# Altium PCB relay_matrix.PcbDoc (part 2 of 9)
Units mm, origin at the board's own origin, x right, y up, seen from the top; angles counter-clockwise.
Board outline 330 x 220 mm, 2 copper layers (Top Layer, Bottom Layer); 498 components, 345 nets, 2134 pads, 717 vias.
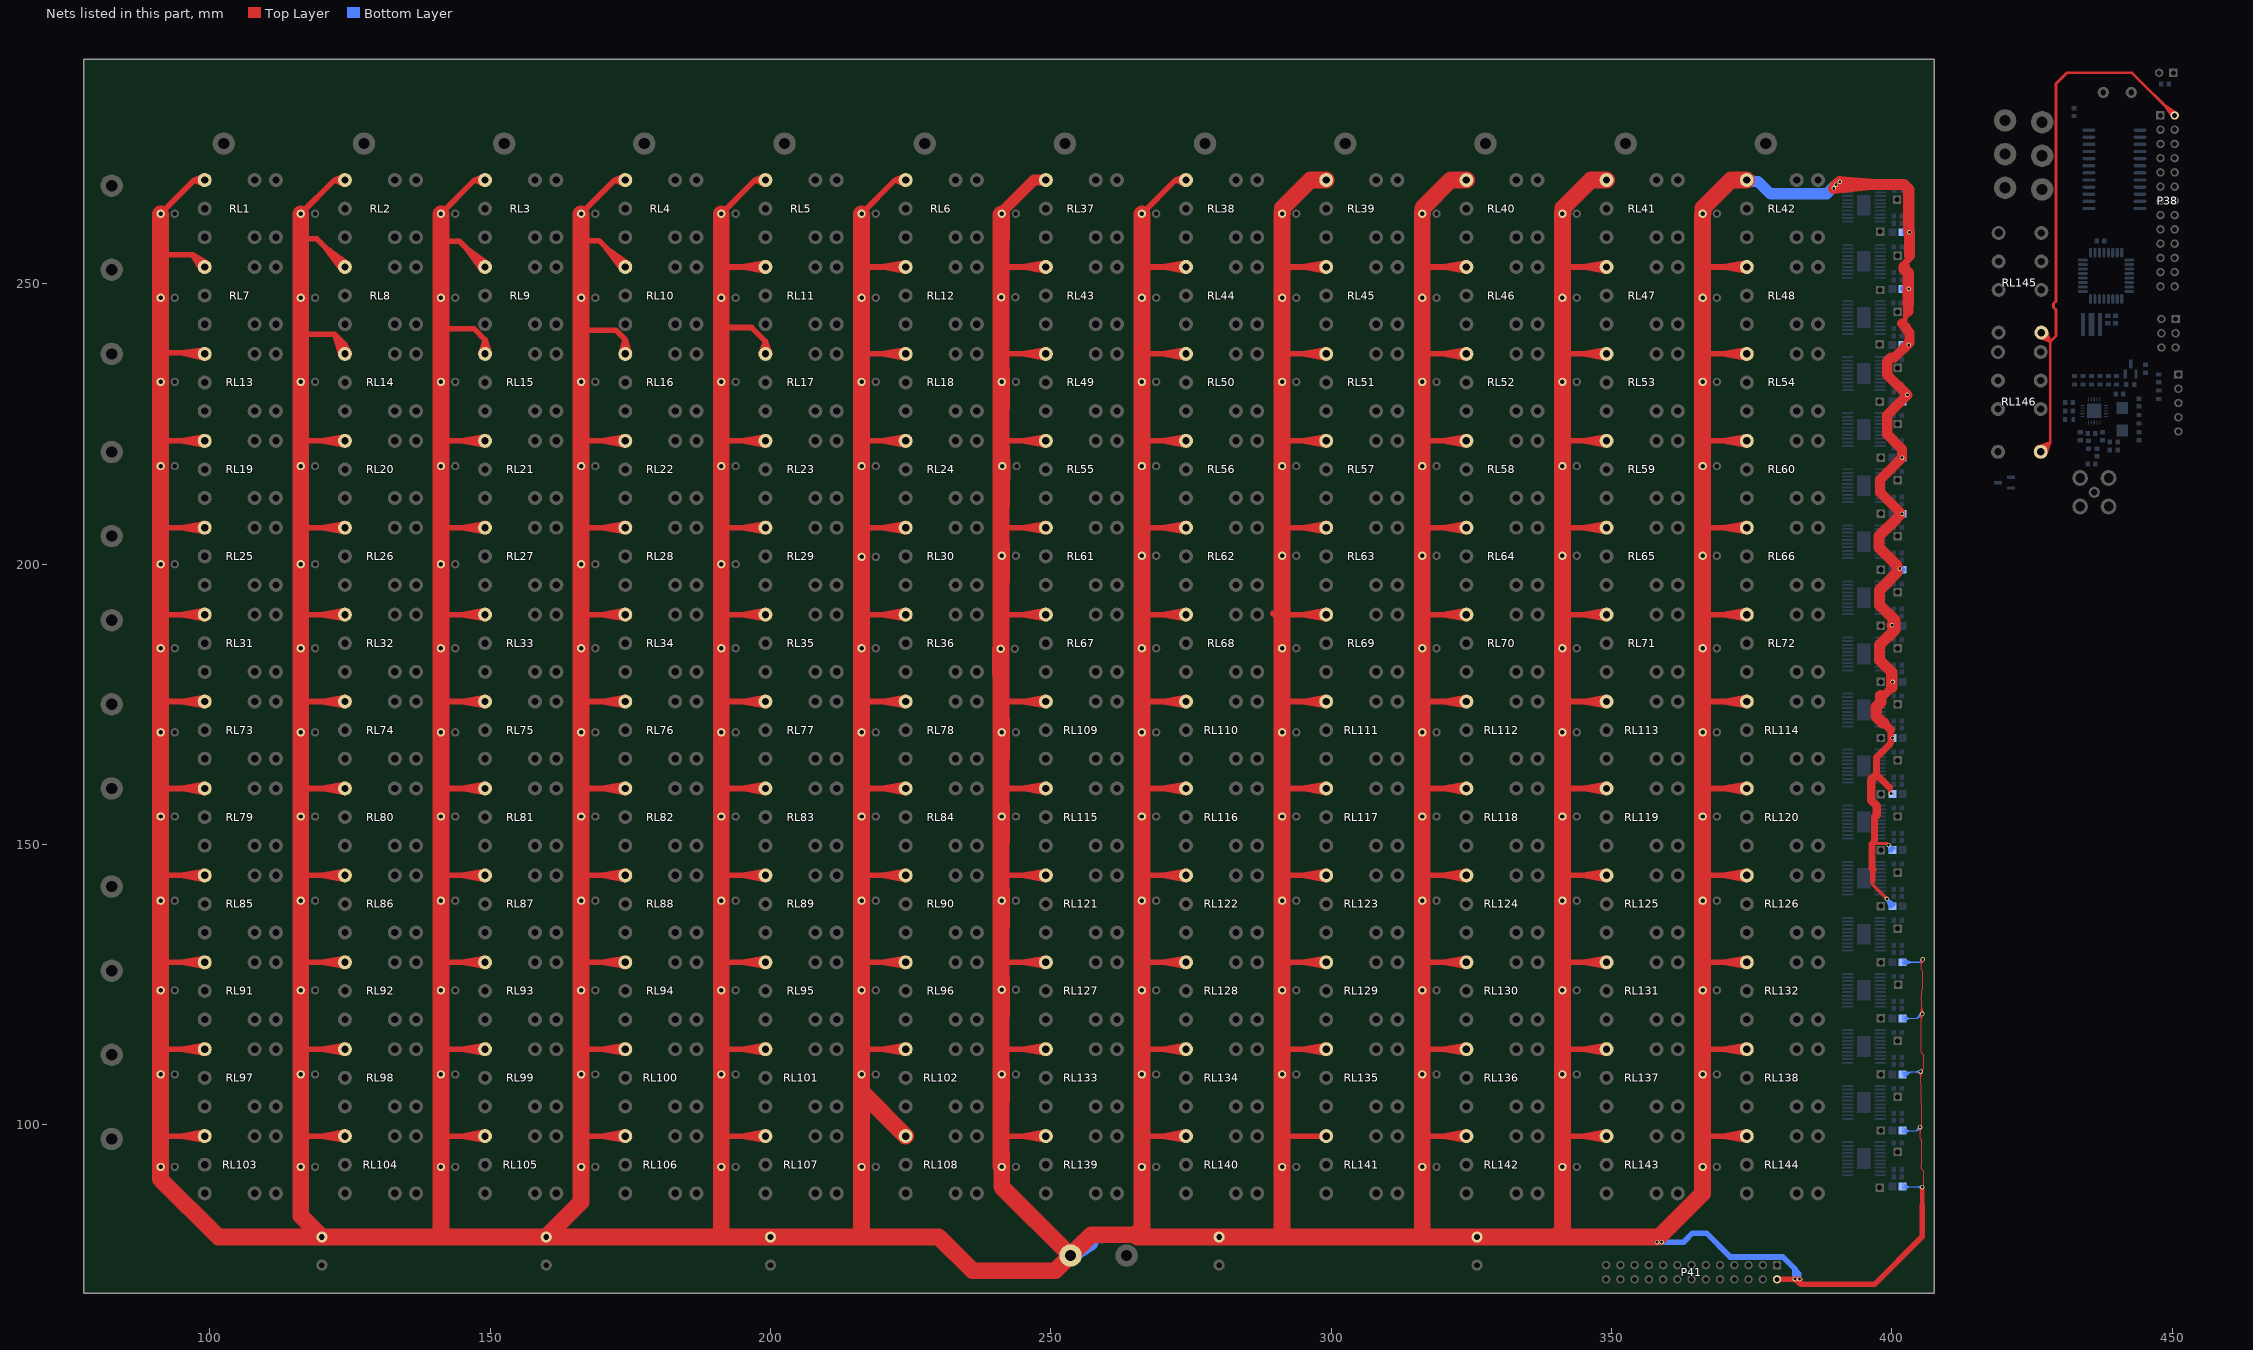
[diagram p2: the nets of this part, all layers, seen from the top]

## Via types
v1: diameter 0.8, hole 0.5, Top Layer to Bottom Layer, 477 vias
v2: diameter 0.8, hole 0.5, Top Layer to Bottom Layer, tented both sides, 122 vias
v3: diameter 0.6, hole 0.3, Top Layer to Bottom Layer, 112 vias
v4: diameter 7, hole 5, Top Layer to Bottom Layer, 6 vias

## Nets (pads, with @x,y where several pads share a name; then routed paths per layer and width w, separated by ;. In a path a pad name is that pad's centre, name@x,y a point inside that pad or via, vN(x,y) a via of type N, cw(c..) or ccw(c..) an arc to the next point about the centre after c; other vN are vias at no path point) (continued)
12V: C5.1 C10.1 C12.1 C13.1 C14.1 C15.1 D1.1 D2.1 D3.1 D4.1 D5.1 D6.1 D7.1 D8.1 D9.1 D10.1 D11.1 D12.1 D13.1 D14.1 D15.1 D16.1 D17.1 D18.1 D19.1 D20.1 D21.1 D22.1 D23.1 D24.1 D25.1 D26.1 D27.1 D28.1 D29.1 D30.1 D31.1 D32.1 D33.1 D34.1 D35.1 D36.1 D37.1 D38.1 D39.1 D40.1 D41.1 D42.1 D43.1 D44.1 D45.1 D46.1 D47.1 D48.1 D49.1 D50.1 D51.1 D52.1 D53.1 D54.1 D55.1 D56.1 D57.1 D58.1 D59.1 D60.1 D61.1 D62.1 D63.1 D64.1 D65.1 D66.1 D67.1 D68.1 D69.1 D70.1 D71.1 D72.1 D73.1 D74.1 D75.1 D76.1 D77.1 D78.1 D79.1 D80.1 D81.1 D82.1 D83.1 D84.1 D85.1 D86.1 D87.1 D88.1 D89.1 D90.1 D91.1 D92.1 D93.1 D94.1 D95.1 D96.1 D97.1 D98.1 D99.1 D100.1 D101.1 D102.1 D103.1 D104.1 D105.1 D106.1 D107.1 D108.1 D109.1 D110.1 D111.1 D112.1 D113.1 D114.1 D115.1 D116.1 D117.1 D118.1 D119.1 D120.1 D121.1 D122.1 D123.1 D124.1 D125.1 D126.1 D127.1 D128.1 D129.1 D130.1 D131.1 D132.1 D133.1 D134.1 D135.1 D136.1 D137.1 D138.1 D139.1 D140.1 D141.1 D142.1 D143.1 D144.1 J25.1 P41.2 R145.2 R146.2 R147.2 R148.2 R149.2 R150.2 R151.2 R152.2 R153.2 R154.2 R155.2 R156.2 R157.2 R158.2 R159.2 R160.2 R161.2 R162.2 RL1.1 RL2.1 RL3.1 RL4.1 RL5.1 RL6.1 RL7.1 RL8.1 RL9.1 RL10.1 RL11.1 RL12.1 RL13.1 RL14.1 RL15.1 RL16.1 RL17.1 RL18.1 RL19.1 RL20.1 RL21.1 RL22.1 RL23.1 RL24.1 RL25.1 RL26.1 RL27.1 RL28.1 RL29.1 RL30.1 RL31.1 RL32.1 RL33.1 RL34.1 RL35.1 RL36.1 RL37.1 RL38.1 RL39.1 RL40.1 RL41.1 RL42.1 RL43.1 RL44.1 RL45.1 RL46.1 RL47.1 RL48.1 RL49.1 RL50.1 RL51.1 RL52.1 RL53.1 RL54.1 RL55.1 RL56.1 RL57.1 RL58.1 RL59.1 RL60.1 RL61.1 RL62.1 RL63.1 RL64.1 RL65.1 RL66.1 RL67.1 RL68.1 RL69.1 RL70.1 RL71.1 RL72.1 RL73.1 RL74.1 RL75.1 RL76.1 RL77.1 RL78.1 RL79.1 RL80.1 RL81.1 RL82.1 RL83.1 RL84.1 RL85.1 RL86.1 RL87.1 RL88.1 RL89.1 RL90.1 RL91.1 RL92.1 RL93.1 RL94.1 RL95.1 RL96.1 RL97.1 RL98.1 RL99.1 RL100.1 RL101.1 RL102.1 RL103.1 RL104.1 RL105.1 RL106.1 RL107.1 RL108.1 RL109.1 RL110.1 RL111.1 RL112.1 RL113.1 RL114.1 RL115.1 RL116.1 RL117.1 RL118.1 RL119.1 RL120.1 RL121.1 RL122.1 RL123.1 RL124.1 RL125.1 RL126.1 RL127.1 RL128.1 RL129.1 RL130.1 RL131.1 RL132.1 RL133.1 RL134.1 RL135.1 RL136.1 RL137.1 RL138.1 RL139.1 RL140.1 RL141.1 RL142.1 RL143.1 RL144.1 | length 7380
  Top Layer w0.2: 400.899,198.5 401.3,198.1 401.499,198.1 ; v1@404.703,99.555 404.999,98.6 v1@405.296,99.555 ; v1@404.79,99.815 405.299,100.099 ; v1@404.803,109.455 405.1,108.5 ; v1@404.929,109.746 405.7,110.1 ; v1@405.099,119.8 405.25,118.77 ; v1@405.101,119.83 405.35,120.802 ; 405.199,128.655 405.199,127.744 405.5,127.443 405.5,124.2 405.35,124.05 405.35,122.8 405.25,122.7 405.25,122.11 405.35,122.01 405.35,119.849 v1(405.399,119.8) ; v1@405.204,129.552 405.2,128.656 ; v1@405.287,99.517 405.299,100.099 ; v1@405.346,109.329 405.7,110.1 ; v1@405.397,109.455 405.1,108.5 ; v1(405.4,88.9) 405.7,89.2 405.7,91.71 405.2,92.21 405.2,92.79 405.3,92.89 405.3,97.2 405.25,97.25 405.25,97.4 404.999,97.651 v1(404.999,99.6) ; v1@405.687,119.714 405.25,118.77 ; v1@405.693,119.859 405.35,120.802 ; v1@405.699,129.699 v1(405.5,129.5) ; v1@405.762,129.354 405.2,128.656 ; v1(404.999,99.6) 405.299,100.099 ; v1(404.999,99.6) 404.999,99.799 405.299,100.099 ; 405.1,108.5 v1(405.1,109.5) ; v1(405.1,109.5) 405.1,107.35 405.25,107.2 405.25,103.892 405.299,103.843 405.299,100.099 ; v1(405.1,109.5) 405.7,110.1 ; 405.2,128.656 v1(405.5,129.5) ; 405.2,128.656 405.2,129.2 v1(405.5,129.5) ; 405.25,118.77 v1(405.399,119.8) ; 405.35,120.802 v1(405.399,119.8) ; v1(405.399,119.8) 405.25,119.651 405.25,117.2 405.25,112.9 405.7,112.45 405.7,110.1
  Top Layer w0.5: 396.869,150.501 397.17,150.2 399.099,150.2 v1(399.399,149.9) ; v1@398.999,140.4 v1(399.099,140.3) ; v1@399.55,159.349 399.55,160.15 v1(399.799,159.1) v1@399.55,159.349
  Top Layer w0.6: 396.5,143.536 396.5,142.899 v1@398.999,140.4 ; 397.426,141.973 v1(399.099,140.3)
  Top Layer w0.8: 401.8,242.9 402.399,243.499 402.399,244.549 402.45,244.6 ; 405.4,85.7 v1(405.4,88.9) 405.4,86.1
  Top Layer w1: 91.23,97.9 91.33,98 RL103.1@99.1,98 94.85,98 ; 91.23,113.7 91.43,113.5 RL97.1@99.1,113.5 94.85,113.5 ; 91.23,129 RL91.1@99.1,129 94.85,129 ; 91.23,144 91.73,144.5 RL85.1@99.1,144.5 94.85,144.5 ; 91.23,160 RL79.1@99.1,160 94.85,160 ; 91.23,175.8 91.53,175.5 RL73.1@99.1,175.5 94.85,175.5 ; 91.23,191.2 91.43,191 RL31.1@99.1,191 94.85,191 ; 91.23,206.4 91.33,206.5 RL25.1@99.1,206.5 94.85,206.5 ; 91.23,221.7 91.53,222 RL19.1@99.1,222 94.85,222 ; 91.23,237.3 91.63,237.7 97.755,237.7 ; 91.23,252.7 91.53,253 ; 91.23,255.2 96.9,255.2 ; D1.1@91.23,262.5 97.23,268.5 ; RL7.1@98.51,252.537 96.9,255.2 ; RL1.1@98.95,267.765 97.23,268.5 ; RL1.1@98.95,269.235 97.23,268.5 ; RL13.1@98.999,236.757 94.839,237.7 ; RL103.1@99.034,97.253 94.85,98 ; RL103.1@99.034,98.747 94.85,98 ; RL97.1@99.034,112.753 94.85,113.5 ; RL97.1@99.034,114.247 94.85,113.5 ; RL91.1@99.034,128.253 94.85,129 ; RL91.1@99.034,129.747 94.85,129 ; RL85.1@99.034,143.753 94.85,144.5 ; RL85.1@99.034,145.247 94.85,144.5 ; RL79.1@99.034,159.253 94.85,160 ; RL79.1@99.034,160.747 94.85,160 ; RL73.1@99.034,174.753 94.85,175.5 ; RL73.1@99.034,176.247 94.85,175.5 ; RL31.1@99.034,190.253 94.85,191 ; RL31.1@99.034,191.747 94.85,191 ; RL25.1@99.034,205.753 94.85,206.5 ; RL25.1@99.034,207.247 94.85,206.5 ; RL19.1@99.034,221.253 94.85,222 ; RL19.1@99.034,222.747 94.85,222 ; RL13.1@99.069,238.249 94.839,237.7 ; RL7.1@99.563,253.59 96.9,255.2 ; 116.23,97.4 116.83,98 RL104.1@124.1,98 119.85,98 ; 116.23,112.7 117.03,113.5 RL98.1@124.1,113.5 119.85,113.5 ; 116.23,128.8 116.43,129 RL92.1@124.1,129 119.85,129 ; 116.23,144.5 RL86.1@124.1,144.5 119.85,144.5 ; 116.23,160 RL80.1@124.1,160 119.85,160 ; 116.23,175.2 116.53,175.5 RL74.1@124.1,175.5 119.85,175.5 ; 116.23,190.9 116.33,191 RL32.1@124.1,191 119.85,191 ; 116.23,205.8 116.93,206.5 RL26.1@124.1,206.5 119.85,206.5 ; 116.23,222.2 116.43,222 RL20.1@124.1,222 119.85,222 ; 116.23,240.8 116.43,241 122.256,241 ; 116.23,258 119.1,258 RL8.1@124.1,253 120.729,256.371 ; D2.1@116.23,262.5 122.23,268.5 ; RL14.1@123.406,237.215 122.256,241 ; RL8.1@123.53,252.513 120.729,256.371 ; RL2.1@123.95,267.765 122.23,268.5 ; RL2.1@123.95,269.235 122.23,268.5 ; RL104.1@124.034,97.253 119.85,98 ; RL104.1@124.034,98.747 119.85,98 ; RL98.1@124.034,112.753 119.85,113.5 ; RL98.1@124.034,114.247 119.85,113.5 ; RL92.1@124.034,128.253 119.85,129 ; RL92.1@124.034,129.747 119.85,129 ; RL86.1@124.034,143.753 119.85,144.5 ; RL86.1@124.034,145.247 119.85,144.5 ; RL80.1@124.034,159.253 119.85,160 ; RL80.1@124.034,160.747 119.85,160 ; RL74.1@124.034,174.753 119.85,175.5 ; RL74.1@124.034,176.247 119.85,175.5 ; RL32.1@124.034,190.253 119.85,191 ; RL32.1@124.034,191.747 119.85,191 ; RL26.1@124.034,205.753 119.85,206.5 ; RL26.1@124.034,207.247 119.85,206.5 ; RL20.1@124.034,221.253 119.85,222 ; RL20.1@124.034,222.747 119.85,222 ; RL8.1@124.587,253.57 120.729,256.371 ; RL14.1@124.727,237.911 122.256,241 ; 141.23,98.1 141.33,98 RL105.1@149.1,98 144.85,98 ; 141.23,113.3 141.43,113.5 RL99.1@149.1,113.5 144.85,113.5 ; 141.23,130.1 142.33,129 RL93.1@149.1,129 144.85,129 ; 141.23,144.5 RL87.1@149.1,144.5 144.85,144.5 ; 141.23,159.8 141.43,160 RL81.1@149.1,160 144.85,160 ; 141.23,175.1 141.63,175.5 RL75.1@149.1,175.5 144.85,175.5 ; 141.23,190.8 141.43,191 RL33.1@149.1,191 144.85,191 ; 141.23,205.3 142.43,206.5 RL27.1@149.1,206.5 144.85,206.5 ; 141.23,221.9 141.33,222 RL21.1@149.1,222 144.85,222 ; 141.23,242 147.1,242 149.1,240 ; 141.23,252.8 141.43,253 ; 141.23,257.6 144.5,257.6 RL9.1@149.1,253 145.729,256.371 ; D3.1@141.23,262.5 147.23,268.5 ; RL15.1@148.358,237.613 149.1,240 ; RL9.1@148.53,252.513 145.729,256.371 ; RL3.1@148.95,267.765 147.23,268.5 ; RL3.1@148.95,269.235 147.23,268.5 ; RL105.1@149.034,97.253 144.85,98 ; RL105.1@149.034,98.747 144.85,98 ; RL99.1@149.034,112.753 144.85,113.5 ; RL99.1@149.034,114.247 144.85,113.5 ; RL93.1@149.034,128.253 144.85,129 ; RL93.1@149.034,129.747 144.85,129 ; RL87.1@149.034,143.753 144.85,144.5 ; RL87.1@149.034,145.247 144.85,144.5 ; RL81.1@149.034,159.253 144.85,160 ; RL81.1@149.034,160.747 144.85,160 ; RL75.1@149.034,174.753 144.85,175.5 ; RL75.1@149.034,176.247 144.85,175.5 ; RL33.1@149.034,190.253 144.85,191 ; RL33.1@149.034,191.747 144.85,191 ; RL27.1@149.034,205.753 144.85,206.5 ; RL27.1@149.034,207.247 144.85,206.5 ; RL21.1@149.034,221.253 144.85,222 ; RL21.1@149.034,222.747 144.85,222 ; RL15.1@149.1,237.5 149.1,240 ; RL9.1@149.587,253.57 145.729,256.371 ; RL15.1@149.841,237.613 149.1,240 ; 166.23,97.3 166.93,98 RL106.1@174.1,98 169.85,98 ; 166.23,113.8 166.53,113.5 RL100.1@174.1,113.5 169.85,113.5 ; 166.23,129.3 166.53,129 RL94.1@174.1,129 169.85,129 ; 166.23,144.3 166.43,144.5 RL88.1@174.1,144.5 169.85,144.5 ; 166.23,159.5 166.73,160 RL82.1@174.1,160 169.85,160 ; 166.23,175.2 166.53,175.5 RL76.1@174.1,175.5 169.85,175.5 ; 166.23,191 RL34.1@174.1,191 169.85,191 ; 166.23,206.8 166.53,206.5 RL28.1@174.1,206.5 169.85,206.5 ; 166.23,221.7 166.53,222 RL22.1@174.1,222 169.85,222 ; 166.23,241.7 166.251,241.721 172.421,241.721 174.1,240.042 ; 166.23,252.8 166.43,253 ; 166.23,257.7 169.4,257.7 RL10.1@174.1,253 170.729,256.371 ; D4.1@166.23,262.5 172.23,268.5 ; RL16.1@173.358,237.611 174.1,240.042 ; RL10.1@173.53,252.513 170.729,256.371 ; RL4.1@173.95,267.765 172.23,268.5 ; RL4.1@173.95,269.235 172.23,268.5 ; RL106.1@174.034,97.253 169.85,98 ; RL106.1@174.034,98.747 169.85,98 ; RL100.1@174.034,112.753 169.85,113.5 ; RL100.1@174.034,114.247 169.85,113.5 ; RL94.1@174.034,128.253 169.85,129 ; RL94.1@174.034,129.747 169.85,129 ; RL88.1@174.034,143.753 169.85,144.5 ; RL88.1@174.034,145.247 169.85,144.5 ; RL82.1@174.034,159.253 169.85,160 ; RL82.1@174.034,160.747 169.85,160 ; RL76.1@174.034,174.753 169.85,175.5 ; RL76.1@174.034,176.247 169.85,175.5 ; RL34.1@174.034,190.253 169.85,191 ; RL34.1@174.034,191.747 169.85,191 ; RL28.1@174.034,205.753 169.85,206.5 ; RL28.1@174.034,207.247 169.85,206.5 ; RL22.1@174.034,221.253 169.85,222 ; RL22.1@174.034,222.747 169.85,222 ; RL16.1@174.1,237.5 174.1,240.042 ; RL10.1@174.587,253.57 170.729,256.371 ; RL16.1@174.842,237.611 174.1,240.042 ; 191.23,98.1 191.33,98 RL107.1@199.1,98 194.85,98 ; 191.23,113.5 RL101.1@199.1,113.5 194.85,113.5 ; 191.23,128.8 191.43,129 RL95.1@199.1,129 194.85,129 ; 191.23,144.5 RL89.1@199.1,144.5 194.85,144.5 ; 191.23,159.8 191.43,160 RL83.1@199.1,160 194.85,160 ; 191.23,175.4 191.33,175.5 RL77.1@199.1,175.5 194.85,175.5 ; 191.23,191.8 192.03,191 RL35.1@199.1,191 194.85,191 ; 191.23,206.3 191.43,206.5 RL29.1@199.1,206.5 194.85,206.5 ; 191.23,222.2 191.43,222 RL23.1@199.1,222 194.85,222 ; 191.23,242.2 196.6,242.2 199.1,239.7 ; 191.23,252.7 191.53,253 RL11.1@199.1,253 194.85,253 ; D5.1@191.23,262.5 197.23,268.5 ; RL17.1@198.361,237.628 199.1,239.7 ; RL5.1@198.95,267.765 197.23,268.5 ; RL5.1@198.95,269.235 197.23,268.5 ; RL107.1@199.034,97.253 194.85,98 ; RL107.1@199.034,98.747 194.85,98 ; RL101.1@199.034,112.753 194.85,113.5 ; RL101.1@199.034,114.247 194.85,113.5 ; RL95.1@199.034,128.253 194.85,129 ; RL95.1@199.034,129.747 194.85,129 ; RL89.1@199.034,143.753 194.85,144.5 ; RL89.1@199.034,145.247 194.85,144.5 ; RL83.1@199.034,159.253 194.85,160 ; RL83.1@199.034,160.747 194.85,160 ; RL77.1@199.034,174.753 194.85,175.5 ; RL77.1@199.034,176.247 194.85,175.5 ; RL35.1@199.034,190.253 194.85,191 ; RL35.1@199.034,191.747 194.85,191 ; RL29.1@199.034,205.753 194.85,206.5 ; RL29.1@199.034,207.247 194.85,206.5 ; RL23.1@199.034,221.253 194.85,222 ; RL23.1@199.034,222.747 194.85,222 ; RL11.1@199.034,252.253 194.85,253 ; RL11.1@199.034,253.747 194.85,253 ; RL17.1@199.1,237.5 199.1,239.7 ; RL17.1@199.839,237.628 199.1,239.7 ; 216.23,113.1 216.63,113.5 RL102.1@224.1,113.5 219.85,113.5 ; 216.23,128.9 216.33,129 RL96.1@224.1,129 219.85,129 ; 216.23,144.7 216.43,144.5 RL90.1@224.1,144.5 219.85,144.5 ; 216.23,160 RL84.1@224.1,160 219.85,160 ; 216.23,174.9 216.83,175.5 RL78.1@224.1,175.5 219.85,175.5 ; 216.23,191.5 216.73,191 RL36.1@224.1,191 219.85,191 ; 216.23,206.5 RL30.1@224.1,206.5 219.85,206.5 ; 216.23,222.2 216.43,222 RL24.1@224.1,222 219.85,222 ; 216.23,237.6 216.33,237.5 RL18.1@224.1,237.5 219.85,237.5 ; 216.23,242.5 216.33,242.6 ; 216.23,253.5 216.73,253 RL12.1@224.1,253 219.85,253 ; D6.1@216.23,262.5 222.23,268.5 ; RL6.1@223.95,267.765 222.23,268.5 ; RL6.1@223.95,269.235 222.23,268.5 ; RL102.1@224.034,112.753 219.85,113.5 ; RL102.1@224.034,114.247 219.85,113.5 ; RL96.1@224.034,128.253 219.85,129 ; RL96.1@224.034,129.747 219.85,129 ; RL90.1@224.034,143.753 219.85,144.5 ; RL90.1@224.034,145.247 219.85,144.5 ; RL84.1@224.034,159.253 219.85,160 ; RL84.1@224.034,160.747 219.85,160 ; RL78.1@224.034,174.753 219.85,175.5 ; RL78.1@224.034,176.247 219.85,175.5 ; RL36.1@224.034,190.253 219.85,191 ; RL36.1@224.034,191.747 219.85,191 ; RL30.1@224.034,205.753 219.85,206.5 ; RL30.1@224.034,207.247 219.85,206.5 ; RL24.1@224.034,221.253 219.85,222 ; RL24.1@224.034,222.747 219.85,222 ; RL18.1@224.034,236.753 219.85,237.5 ; RL18.1@224.034,238.247 219.85,237.5 ; RL12.1@224.034,252.253 219.85,253 ; RL12.1@224.034,253.747 219.85,253 ; 241.12,98 RL139.1@249.1,98 244.85,98 ; 241.12,113.4 241.22,113.5 RL133.1@249.1,113.5 244.85,113.5 ; 241.12,128.8 241.32,129 RL127.1@249.1,129 244.85,129 ; 241.12,144.4 241.22,144.5 RL121.1@249.1,144.5 244.85,144.5 ; 241.12,159.6 241.52,160 RL115.1@249.1,160 244.85,160 ; 241.12,175.3 241.32,175.5 RL109.1@249.1,175.5 244.85,175.5 ; 241.12,191 RL67.1@249.1,191 244.85,191 ; 241.12,206 241.62,206.5 RL61.1@249.1,206.5 244.85,206.5 ; 241.12,222.3 241.42,222 RL55.1@249.1,222 244.85,222 ; 241.12,237.3 241.32,237.5 RL49.1@249.1,237.5 244.85,237.5 ; 241.12,253 RL43.1@249.1,253 244.85,253 ; RL139.1@249.034,97.253 244.85,98 ; RL139.1@249.034,98.747 244.85,98 ; RL133.1@249.034,112.753 244.85,113.5 ; RL133.1@249.034,114.247 244.85,113.5 ; RL127.1@249.034,128.253 244.85,129 ; RL127.1@249.034,129.747 244.85,129 ; RL121.1@249.034,143.753 244.85,144.5 ; RL121.1@249.034,145.247 244.85,144.5 ; RL115.1@249.034,159.253 244.85,160 ; RL115.1@249.034,160.747 244.85,160 ; RL109.1@249.034,174.753 244.85,175.5 ; RL109.1@249.034,176.247 244.85,175.5 ; RL67.1@249.034,190.253 244.85,191 ; RL67.1@249.034,191.747 244.85,191 ; RL61.1@249.034,205.753 244.85,206.5 ; RL61.1@249.034,207.247 244.85,206.5 ; RL55.1@249.034,221.253 244.85,222 ; RL55.1@249.034,222.747 244.85,222 ; RL49.1@249.034,236.753 244.85,237.5 ; RL49.1@249.034,238.247 244.85,237.5 ; RL43.1@249.034,252.253 244.85,253 ; RL43.1@249.034,253.747 244.85,253 ; 266.23,97.9 266.33,98 RL140.1@274.1,98 269.85,98 ; 266.23,113.3 266.43,113.5 RL134.1@274.1,113.5 269.85,113.5 ; 266.23,129.1 266.33,129 RL128.1@274.1,129 269.85,129 ; 266.23,144.5 RL122.1@274.1,144.5 269.85,144.5 ; 266.23,159.6 266.63,160 RL116.1@274.1,160 269.85,160 ; 266.23,176.1 266.83,175.5 RL110.1@274.1,175.5 269.85,175.5 ; 266.23,190.6 266.63,191 RL68.1@274.1,191 269.85,191 ; 266.23,206.5 RL62.1@274.1,206.5 269.85,206.5 ; 266.23,222.2 266.43,222 RL56.1@274.1,222 269.85,222 ; 266.23,238.2 266.93,237.5 RL50.1@274.1,237.5 269.85,237.5 ; 266.23,253 RL44.1@274.1,253 269.85,253 ; D38.1@266.23,262.5 272.23,268.5 ; RL38.1@273.95,267.765 272.23,268.5 ; RL38.1@273.95,269.235 272.23,268.5 ; RL140.1@274.034,97.253 269.85,98 ; RL140.1@274.034,98.747 269.85,98 ; RL134.1@274.034,112.753 269.85,113.5 ; RL134.1@274.034,114.247 269.85,113.5 ; RL128.1@274.034,128.253 269.85,129 ; RL128.1@274.034,129.747 269.85,129 ; RL122.1@274.034,143.753 269.85,144.5 ; RL122.1@274.034,145.247 269.85,144.5 ; RL116.1@274.034,159.253 269.85,160 ; RL116.1@274.034,160.747 269.85,160 ; RL110.1@274.034,174.753 269.85,175.5 ; RL110.1@274.034,176.247 269.85,175.5 ; RL68.1@274.034,190.253 269.85,191 ; RL68.1@274.034,191.747 269.85,191 ; RL62.1@274.034,205.753 269.85,206.5 ; RL62.1@274.034,207.247 269.85,206.5 ; RL56.1@274.034,221.253 269.85,222 ; RL56.1@274.034,222.747 269.85,222 ; RL50.1@274.034,236.753 269.85,237.5 ; RL50.1@274.034,238.247 269.85,237.5 ; RL44.1@274.034,252.253 269.85,253 ; RL44.1@274.034,253.747 269.85,253 ; 291.23,97.7 291.53,98 RL141.1@299.1,98 ; 291.23,112.5 292.23,113.5 RL135.1@299.1,113.5 294.85,113.5 ; 291.23,128.4 291.83,129 RL129.1@299.1,129 294.85,129 ; 291.23,145.4 292.13,144.5 RL123.1@299.1,144.5 294.85,144.5 ; 291.23,160.4 291.63,160 RL117.1@299.1,160 294.85,160 ; 291.23,175.7 291.43,175.5 RL111.1@299.1,175.5 294.85,175.5 ; 291.23,190.8 291.03,191 ; 291.23,206.3 291.43,206.5 RL63.1@299.1,206.5 294.85,206.5 ; 291.23,221.5 291.73,222 RL57.1@299.1,222 294.85,222 ; 291.23,238.1 291.83,237.5 RL51.1@299.1,237.5 294.85,237.5 ; 291.23,253 RL45.1@299.1,253 294.85,253 ; RL135.1@299.034,112.753 294.85,113.5 ; RL135.1@299.034,114.247 294.85,113.5 ; RL129.1@299.034,128.253 294.85,129 ; RL129.1@299.034,129.747 294.85,129 ; RL123.1@299.034,143.753 294.85,144.5 ; RL123.1@299.034,145.247 294.85,144.5 ; RL117.1@299.034,159.253 294.85,160 ; RL117.1@299.034,160.747 294.85,160 ; RL111.1@299.034,174.753 294.85,175.5 ; RL111.1@299.034,176.247 294.85,175.5 ; RL69.1@299.034,190.253 294.85,191 ; RL69.1@299.034,191.747 294.85,191 ; RL63.1@299.034,205.753 294.85,206.5 ; RL63.1@299.034,207.247 294.85,206.5 ; RL57.1@299.034,221.253 294.85,222 ; RL57.1@299.034,222.747 294.85,222 ; RL51.1@299.034,236.753 294.85,237.5 ; RL51.1@299.034,238.247 294.85,237.5 ; RL45.1@299.034,252.253 294.85,253 ; RL45.1@299.034,253.747 294.85,253 ; 316.23,98.4 316.63,98 RL142.1@324.1,98 319.85,98 ; 316.23,113.7 316.43,113.5 RL136.1@324.1,113.5 319.85,113.5 ; 316.23,128.9 316.33,129 RL130.1@324.1,129 319.85,129 ; 316.23,144.6 316.33,144.5 RL124.1@324.1,144.5 319.85,144.5 ; 316.23,159.6 316.63,160 RL118.1@324.1,160 319.85,160 ; 316.23,175.5 RL112.1@324.1,175.5 319.85,175.5 ; 316.23,191.4 316.63,191 RL70.1@324.1,191 319.85,191 ; 316.23,206.3 316.43,206.5 RL64.1@324.1,206.5 319.85,206.5 ; 316.23,221.3 316.93,222 RL58.1@324.1,222 319.85,222 ; 316.23,238.5 317.23,237.5 RL52.1@324.1,237.5 319.85,237.5 ; 316.23,253.5 316.73,253 RL46.1@324.1,253 319.85,253 ; RL142.1@324.034,97.253 319.85,98 ; RL142.1@324.034,98.747 319.85,98 ; RL136.1@324.034,112.753 319.85,113.5 ; RL136.1@324.034,114.247 319.85,113.5 ; RL130.1@324.034,128.253 319.85,129 ; RL130.1@324.034,129.747 319.85,129 ; RL124.1@324.034,143.753 319.85,144.5 ; RL124.1@324.034,145.247 319.85,144.5 ; RL118.1@324.034,159.253 319.85,160 ; RL118.1@324.034,160.747 319.85,160 ; RL112.1@324.034,174.753 319.85,175.5 ; RL112.1@324.034,176.247 319.85,175.5 ; RL70.1@324.034,190.253 319.85,191 ; RL70.1@324.034,191.747 319.85,191 ; RL64.1@324.034,205.753 319.85,206.5 ; RL64.1@324.034,207.247 319.85,206.5 ; RL58.1@324.034,221.253 319.85,222 ; RL58.1@324.034,222.747 319.85,222 ; RL52.1@324.034,236.753 319.85,237.5 ; RL52.1@324.034,238.247 319.85,237.5 ; RL46.1@324.034,252.253 319.85,253 ; RL46.1@324.034,253.747 319.85,253 ; 341.23,98.4 341.63,98 RL143.1@349.1,98 344.85,98 ; 341.23,113.8 341.53,113.5 RL137.1@349.1,113.5 344.85,113.5 ; 341.23,129.1 341.33,129 RL131.1@349.1,129 344.85,129 ; 341.23,144.2 341.53,144.5 RL125.1@349.1,144.5 344.85,144.5 ; 341.23,159.3 341.93,160 RL119.1@349.1,160 344.85,160 ; 341.23,176 341.73,175.5 RL113.1@349.1,175.5 344.85,175.5 ; 341.23,190.6 341.63,191 RL71.1@349.1,191 344.85,191 ; 341.23,206.8 341.53,206.5 RL65.1@349.1,206.5 344.85,206.5 ; 341.23,222.3 341.53,222 RL59.1@349.1,222 344.85,222 ; 341.23,238.1 341.83,237.5 RL53.1@349.1,237.5 344.85,237.5 ; 341.23,253 RL47.1@349.1,253 344.85,253 ; RL143.1@349.034,97.253 344.85,98 ; RL143.1@349.034,98.747 344.85,98 ; RL137.1@349.034,112.753 344.85,113.5 ; RL137.1@349.034,114.247 344.85,113.5 ; RL131.1@349.034,128.253 344.85,129 ; RL131.1@349.034,129.747 344.85,129 ; RL125.1@349.034,143.753 344.85,144.5 ; RL125.1@349.034,145.247 344.85,144.5 ; RL119.1@349.034,159.253 344.85,160 ; RL119.1@349.034,160.747 344.85,160 ; RL113.1@349.034,174.753 344.85,175.5 ; RL113.1@349.034,176.247 344.85,175.5 ; RL71.1@349.034,190.253 344.85,191 ; RL71.1@349.034,191.747 344.85,191 ; RL65.1@349.034,205.753 344.85,206.5 ; RL65.1@349.034,207.247 344.85,206.5 ; RL59.1@349.034,221.253 344.85,222 ; RL59.1@349.034,222.747 344.85,222 ; RL53.1@349.034,236.753 344.85,237.5 ; RL53.1@349.034,238.247 344.85,237.5 ; RL47.1@349.034,252.253 344.85,253 ; RL47.1@349.034,253.747 344.85,253 ; 366.23,97.9 366.33,98 RL144.1@374.1,98 369.85,98 ; 366.23,113.3 366.43,113.5 RL138.1@374.1,113.5 369.85,113.5 ; 366.23,129.1 366.33,129 RL132.1@374.1,129 369.85,129 ; 366.23,145 366.73,144.5 RL126.1@374.1,144.5 369.85,144.5 ; 366.23,160.4 366.63,160 RL120.1@374.1,160 369.85,160 ; 366.23,175.7 366.43,175.5 RL114.1@374.1,175.5 369.85,175.5 ; 366.23,190.6 366.63,191 RL72.1@374.1,191 369.85,191 ; 366.23,207.3 367.03,206.5 RL66.1@374.1,206.5 369.85,206.5 ; 366.23,222.4 366.63,222 RL60.1@374.1,222 369.85,222 ; 366.23,237.7 366.43,237.5 RL54.1@374.1,237.5 369.85,237.5 ; 366.23,253.1 366.33,253 RL48.1@374.1,253 369.85,253 ; RL144.1@374.034,97.253 369.85,98 ; RL144.1@374.034,98.747 369.85,98 ; RL138.1@374.034,112.753 369.85,113.5 ; RL138.1@374.034,114.247 369.85,113.5 ; RL132.1@374.034,128.253 369.85,129 ; RL132.1@374.034,129.747 369.85,129 ; RL126.1@374.034,143.753 369.85,144.5 ; RL126.1@374.034,145.247 369.85,144.5 ; RL120.1@374.034,159.253 369.85,160 ; RL120.1@374.034,160.747 369.85,160 ; RL114.1@374.034,174.753 369.85,175.5 ; RL114.1@374.034,176.247 369.85,175.5 ; RL72.1@374.034,190.253 369.85,191 ; RL72.1@374.034,191.747 369.85,191 ; RL66.1@374.034,205.753 369.85,206.5 ; RL66.1@374.034,207.247 369.85,206.5 ; RL60.1@374.034,221.253 369.85,222 ; RL60.1@374.034,222.747 369.85,222 ; RL54.1@374.034,236.753 369.85,237.5 ; RL54.1@374.034,238.247 369.85,237.5 ; RL48.1@374.034,252.253 369.85,253 ; RL48.1@374.034,253.747 369.85,253 ; 396.55,143.586 396.55,145.456 396.65,145.556 ; 402.45,244.106 402.45,244.6 402.899,245.049 ; 405.4,85.7 405.4,80.1 396.85,71.55 383.75,71.55 ; 94.839,237.7 RL13.1@99.1,237.5 ; 96.9,255.2 RL7.1@99.1,253 96.9,255.2 ; 97.23,268.5 RL1.1@99.1,268.5 97.23,268.5 ; 97.755,237.7 RL13.1@99.1,237.5 ; 97.755,237.7 99.001,238.243 97.755,237.7 ; 97.755,237.7 98.789,236.817 97.755,237.7 ; 97.755,237.7 RL13.1@99.1,237.5 ; 97.755,237.7 97.955,237.5 RL13.1@99.1,237.5 ; 122.23,268.5 RL2.1@124.1,268.5 122.23,268.5 ; 122.256,241 RL14.1@124.1,237.5 ; 122.256,241 124.1,239.156 ; RL14.1@124.1,237.5 124.1,239.156 ; RL14.1@124.1,237.5 124.1,239.156 ; 124.1,239.156 124.83,237.67 124.1,239.156 ; 124.1,239.156 123.369,237.67 124.1,239.156 ; 147.23,268.5 RL3.1@149.1,268.5 147.23,268.5 ; 172.23,268.5 RL4.1@174.1,268.5 172.23,268.5 ; 197.23,268.5 RL5.1@199.1,268.5 197.23,268.5 ; 222.23,268.5 RL6.1@224.1,268.5 222.23,268.5 ; 272.23,268.5 RL38.1@274.1,268.5 272.23,268.5 ; 291.03,191 290.83,191.2 289.6,191.2 289.8,191 291.03,191 ; 291.03,191 291.23,191 RL69.1@299.1,191 294.85,191 ; v1(382.7,72.5) v1(383.5,72.5) ; v1(382.7,72.5) 383.75,71.55 ; v1(382.7,72.5) 383.75,71.55 ; v1(382.7,72.5) 380.098,72.46 v1(383.5,72.5) ; v1(382.7,72.5) v1(383.5,72.5) ; v1(382.7,72.5) P41.2@379.5,72.46 v1@382.84,72.46 ; v1(382.7,72.5) v1(383.5,72.5) ; v1(382.7,72.5) v1(383.5,72.5) ; v1@382.84,72.46 v1(383.5,72.5) ; v1@382.84,72.46 v1(383.5,72.5) ; v1@382.84,72.46 383.75,71.55 ; v1(383.5,72.5) 383.75,71.55